# KiCad board panel-main.kicad_pcb
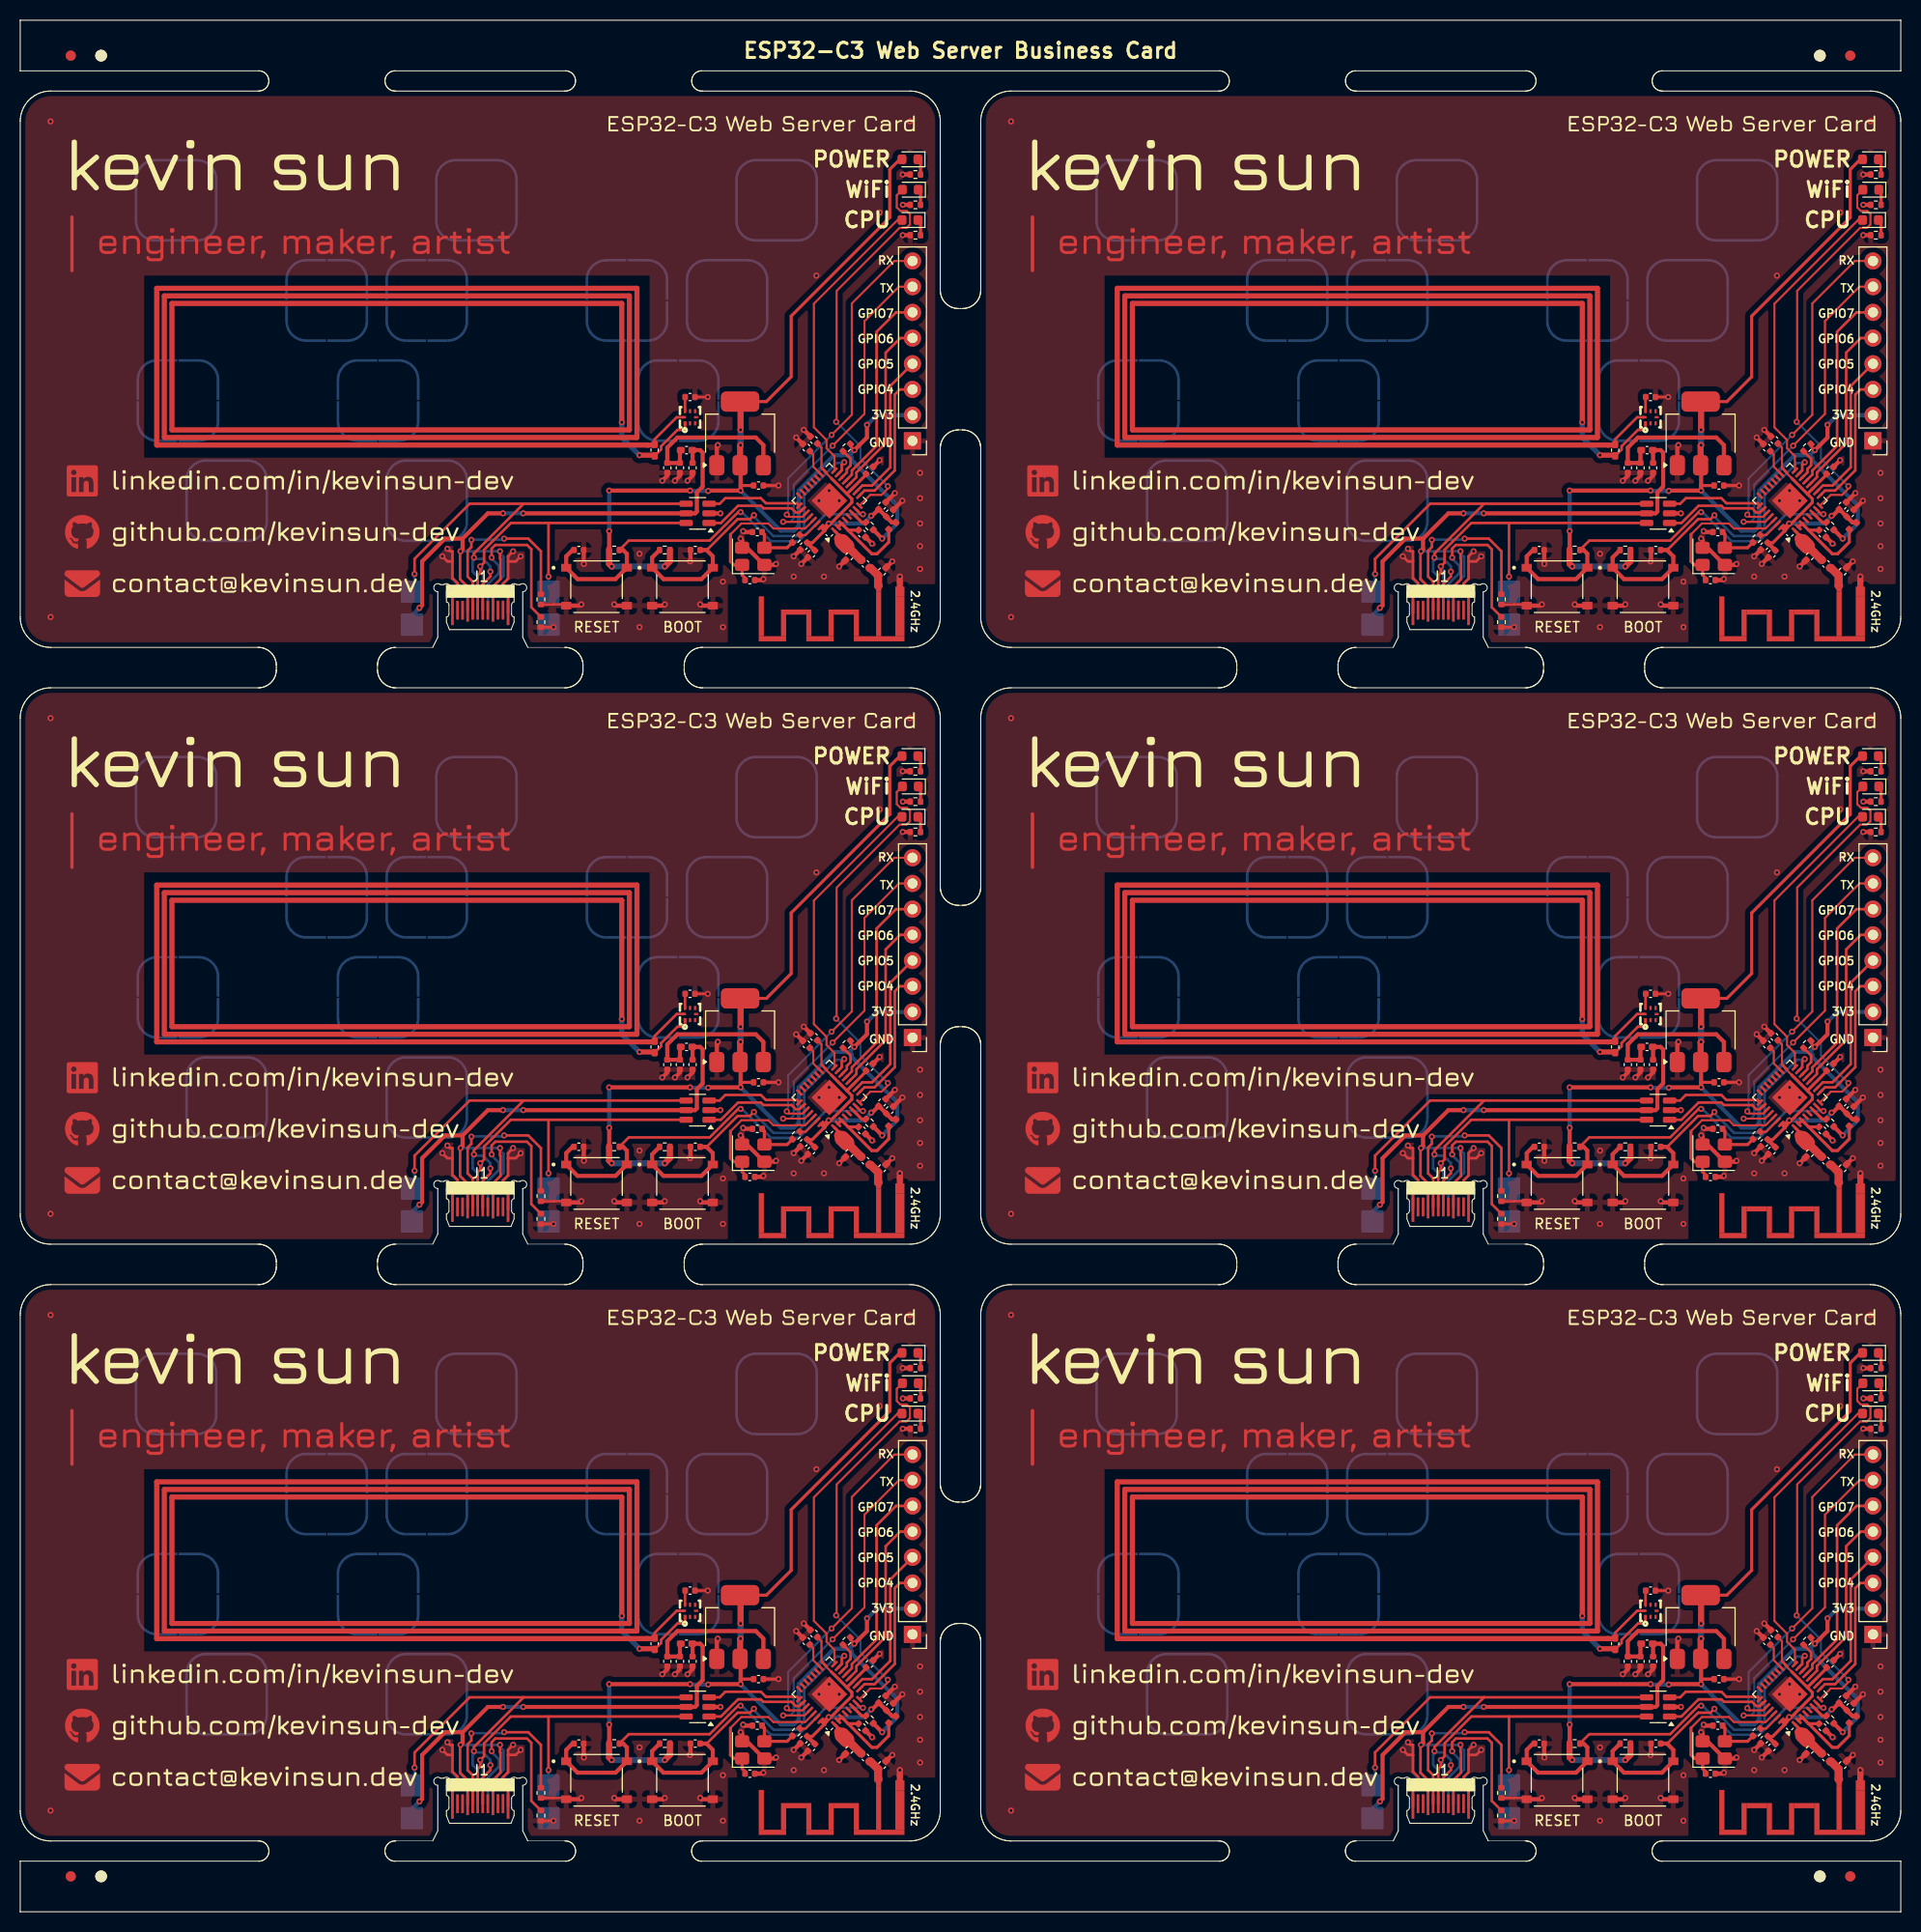
[diagram p0: board, top side]
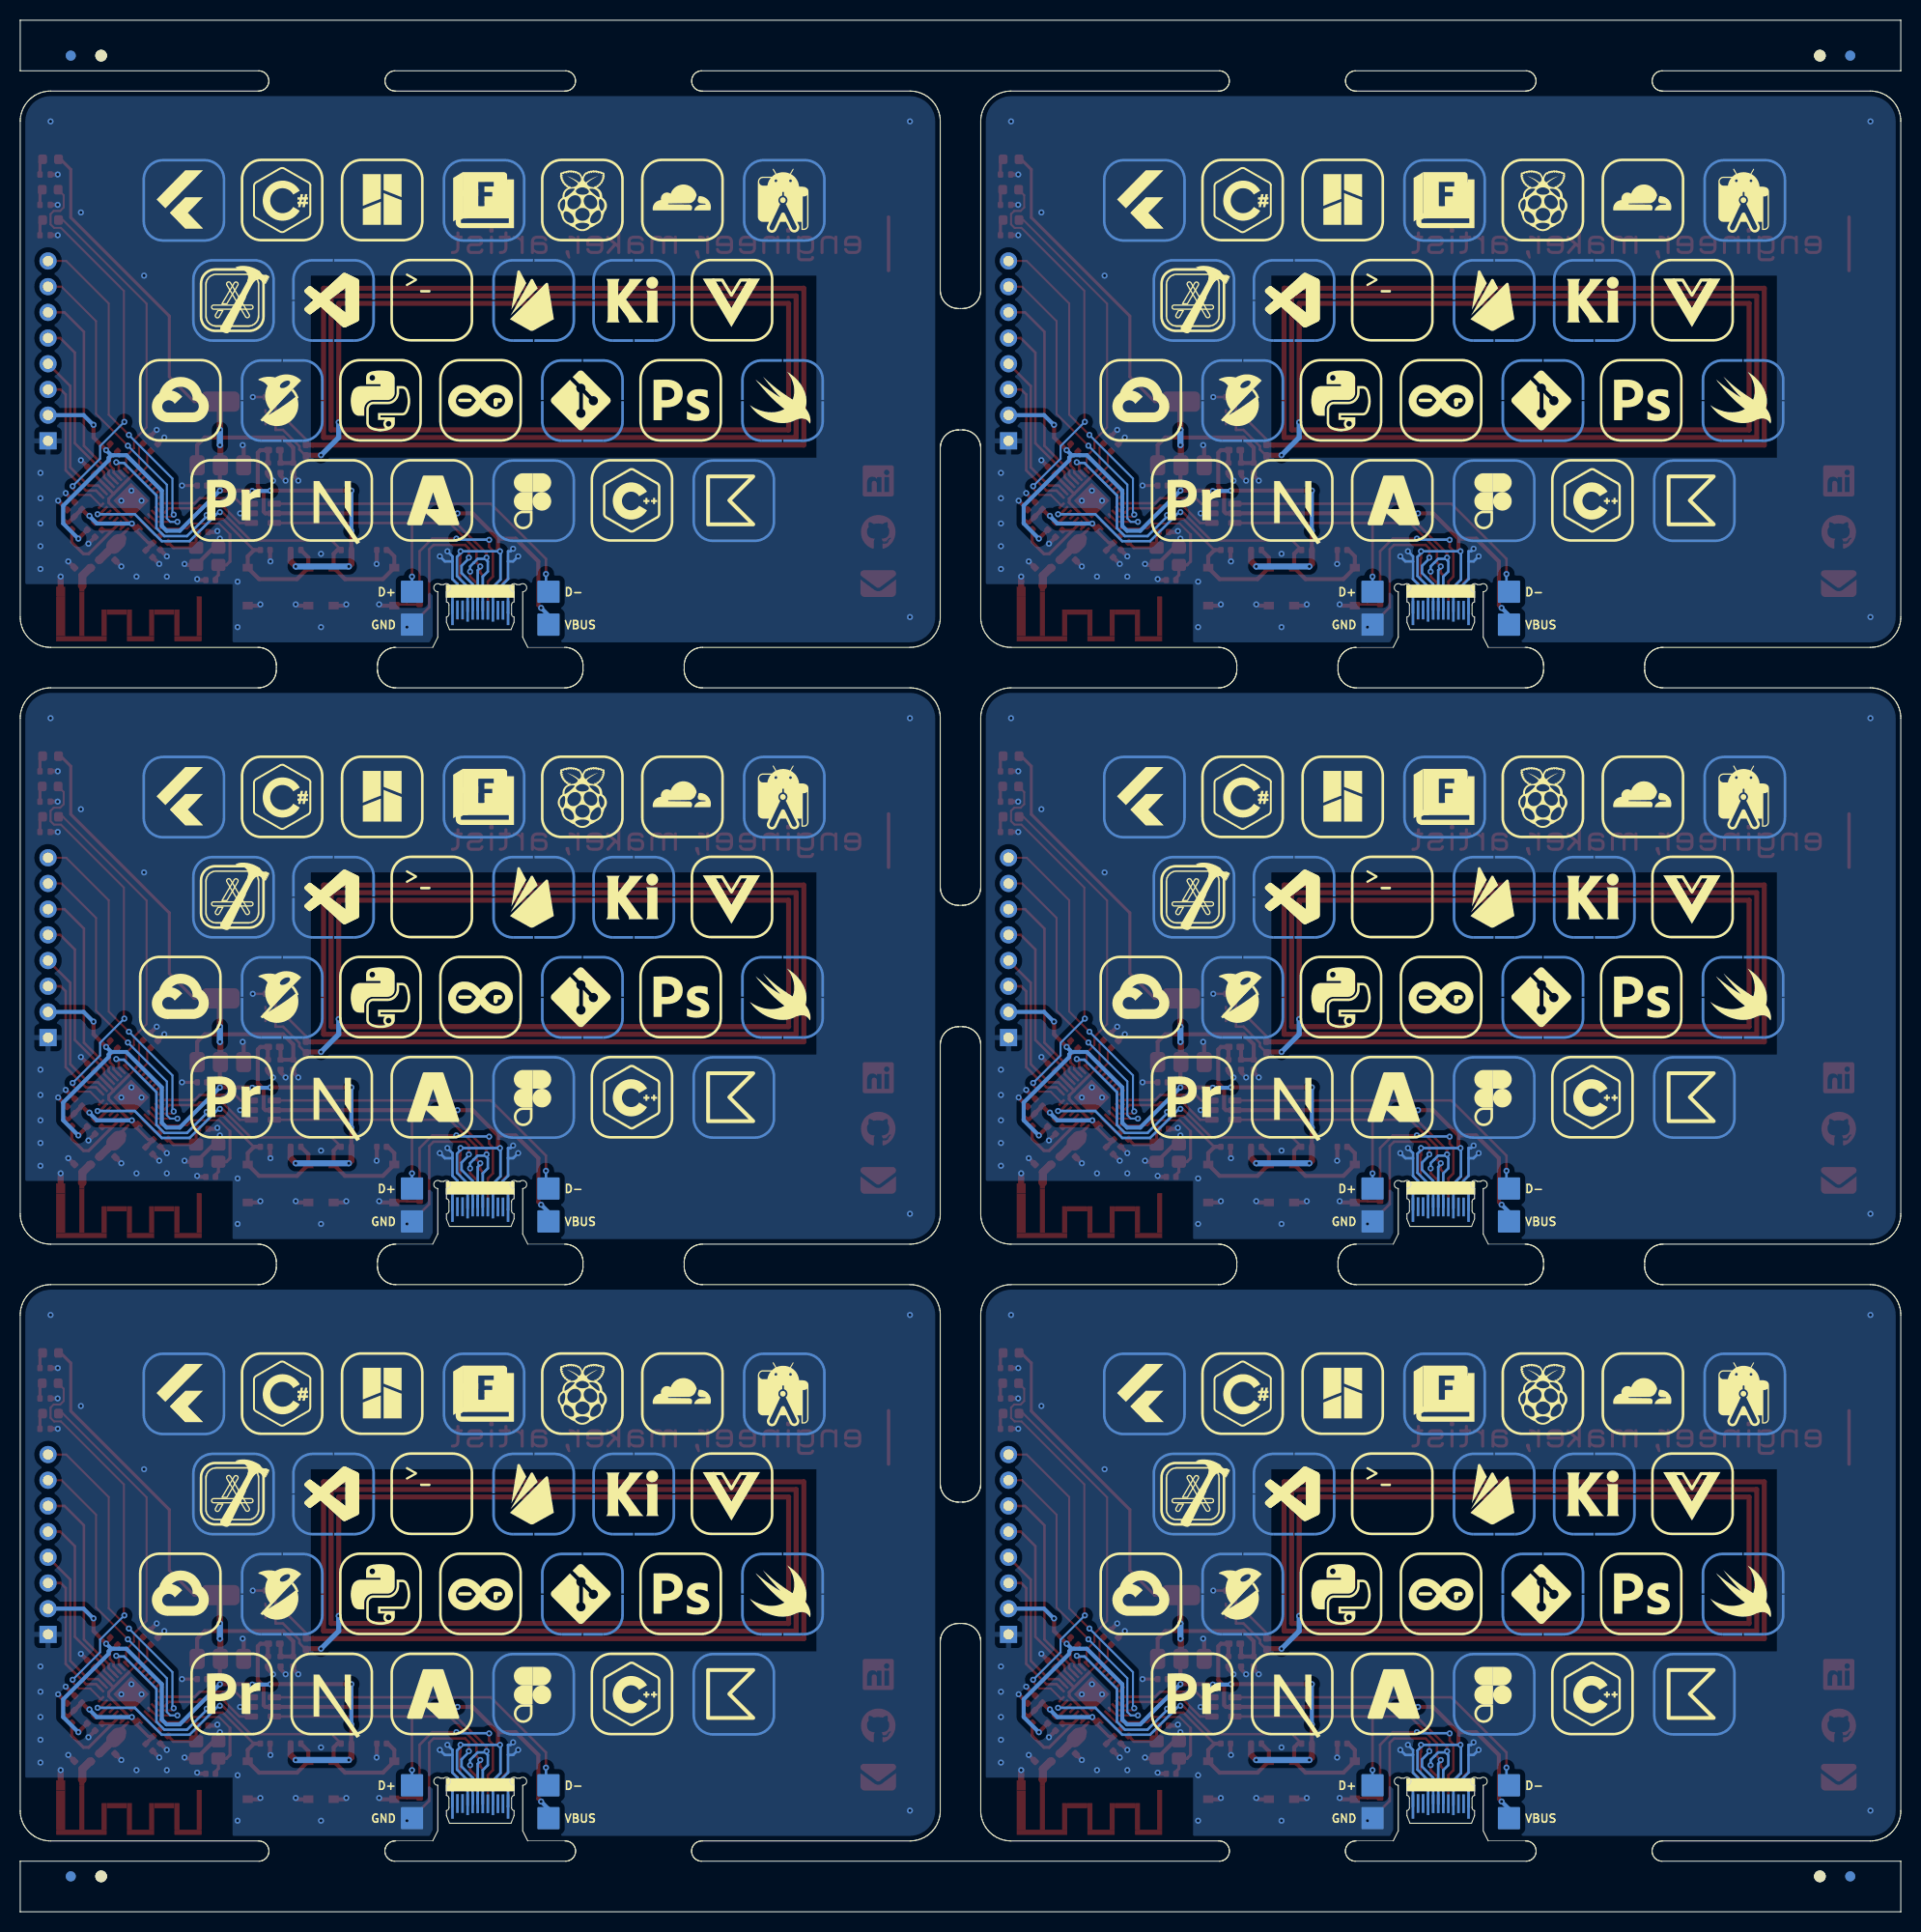
[diagram p1: board, bottom side, seen from below]

Outline 186 x 187 mm; copper layers: Top, Bottom. Coordinates in mm from the lower left corner of the outline.
Stack: Top 0.035mm / dielectric 0.8mm FR4 er 4.5 / Bottom 0.035mm

## Placement (name value [footprint] x y rotation side)
AE1  PCB Antenna  [pcb-antenna]  182 130.75 180 top
AE1#2  PCB Antenna  [pcb-antenna]  87 12.75 180 top
AE1#3  PCB Antenna  [pcb-antenna]  87 71.75 180 top
AE1#4  PCB Antenna  [pcb-antenna]  87 130.75 180 top
AE1#5  PCB Antenna  [pcb-antenna]  182 71.75 180 top
AE1#6  PCB Antenna  [pcb-antenna]  182 12.75 180 top
C1  100nF  [C_0402_1005Metric]  178.25 18.25 315 top
C1#2  100nF  [C_0402_1005Metric]  178.25 136.25 315 top
C1#3  100nF  [C_0402_1005Metric]  83.25 77.25 315 top
C1#4  100nF  [C_0402_1005Metric]  83.25 18.25 315 top
C1#5  100nF  [C_0402_1005Metric]  178.25 77.25 315 top
C1#6  100nF  [C_0402_1005Metric]  83.25 136.25 315 top
C2  100nF  [C_0402_1005Metric]  181 79.25 45 top
C2#2  100nF  [C_0402_1005Metric]  181 138.25 45 top
C2#3  100nF  [C_0402_1005Metric]  86 79.25 45 top
C2#4  100nF  [C_0402_1005Metric]  86 138.25 45 top
C2#5  100nF  [C_0402_1005Metric]  181 20.25 45 top
C2#6  100nF  [C_0402_1005Metric]  86 20.25 45 top
C3  10uF  [C_0402_1005Metric]  180.25 139 45 top
C3#2  10uF  [C_0402_1005Metric]  85.25 80 45 top
C3#3  10uF  [C_0402_1005Metric]  180.25 21 45 top
C3#4  10uF  [C_0402_1005Metric]  85.25 139 45 top
C3#5  10uF  [C_0402_1005Metric]  85.25 21 45 top
C3#6  10uF  [C_0402_1005Metric]  180.25 80 45 top
C4  1uF  [C_0402_1005Metric]  77.75 26.75 135 top
C4#2  1uF  [C_0402_1005Metric]  172.75 85.75 135 top
C4#3  1uF  [C_0402_1005Metric]  172.75 144.75 135 top
C4#4  1uF  [C_0402_1005Metric]  77.75 144.75 135 top
C4#5  1uF  [C_0402_1005Metric]  172.75 26.75 135 top
C4#6  1uF  [C_0402_1005Metric]  77.75 85.75 135 top
C5  100nF  [C_0402_1005Metric]  179 83.5 45 top
C5#2  100nF  [C_0402_1005Metric]  84 24.5 45 top
C5#3  100nF  [C_0402_1005Metric]  179 24.5 45 top
C5#4  100nF  [C_0402_1005Metric]  179 142.5 45 top
C5#5  100nF  [C_0402_1005Metric]  84 83.5 45 top
C5#6  100nF  [C_0402_1005Metric]  84 142.5 45 top
C6  100nF  [C_0402_1005Metric]  173.5 27.5 135 top
C6#2  100nF  [C_0402_1005Metric]  78.5 27.5 135 top
C6#3  100nF  [C_0402_1005Metric]  78.5 145.5 135 top
C6#4  100nF  [C_0402_1005Metric]  173.5 86.5 135 top
C6#5  100nF  [C_0402_1005Metric]  173.5 145.5 135 top
C6#6  100nF  [C_0402_1005Metric]  78.5 86.5 135 top
C7  1uF  [C_0402_1005Metric]  172.5 17 225 top
C7#2  1uF  [C_0402_1005Metric]  172.5 76 225 top
C7#3  1uF  [C_0402_1005Metric]  172.5 135 225 top
C7#4  1uF  [C_0402_1005Metric]  77.5 135 225 top
C7#5  1uF  [C_0402_1005Metric]  77.5 76 225 top
C7#6  1uF  [C_0402_1005Metric]  77.5 17 225 top
C8  10nF  [C_0402_1005Metric]  173.25 75.25 225 top
C8#2  10nF  [C_0402_1005Metric]  173.25 134.25 225 top
C8#3  10nF  [C_0402_1005Metric]  173.25 16.25 225 top
C8#4  10nF  [C_0402_1005Metric]  78.25 16.25 225 top
C8#5  10nF  [C_0402_1005Metric]  78.25 75.25 225 top
C8#6  10nF  [C_0402_1005Metric]  78.25 134.25 225 top
C9  12p  [C_0402_1005Metric]  167.17 72.65 0 top
C9#2  12p  [C_0402_1005Metric]  72.17 131.65 0 top
C9#3  12p  [C_0402_1005Metric]  167.17 13.65 0 top
C9#4  12p  [C_0402_1005Metric]  72.17 72.65 0 top
C9#5  12p  [C_0402_1005Metric]  72.17 13.65 0 top
C9#6  12p  [C_0402_1005Metric]  167.17 131.65 0 top
C10  12p  [C_0402_1005Metric]  72.9 77.4 180 top
C10#2  12p  [C_0402_1005Metric]  167.9 136.4 180 top
C10#3  12p  [C_0402_1005Metric]  72.9 136.4 180 top
C10#4  12p  [C_0402_1005Metric]  72.9 18.4 180 top
C10#5  12p  [C_0402_1005Metric]  167.9 18.4 180 top
C10#6  12p  [C_0402_1005Metric]  167.9 77.4 180 top
C11  1.5pF  [C_0402_1005Metric_Pad0.74x0.62mm_HandSolder]  180.25 132.5 45 top
C11#2  1.5pF  [C_0402_1005Metric_Pad0.74x0.62mm_HandSolder]  85.25 14.5 45 top
C11#3  1.5pF  [C_0402_1005Metric_Pad0.74x0.62mm_HandSolder]  180.25 73.5 45 top
C11#4  1.5pF  [C_0402_1005Metric_Pad0.74x0.62mm_HandSolder]  180.25 14.5 45 top
C11#5  1.5pF  [C_0402_1005Metric_Pad0.74x0.62mm_HandSolder]  85.25 73.5 45 top
C11#6  1.5pF  [C_0402_1005Metric_Pad0.74x0.62mm_HandSolder]  85.25 132.5 45 top
C12  1.5pF  [C_0402_1005Metric_Pad0.74x0.62mm_HandSolder]  177 134 225 top
C12#2  1.5pF  [C_0402_1005Metric_Pad0.74x0.62mm_HandSolder]  177 16 225 top
C12#3  1.5pF  [C_0402_1005Metric_Pad0.74x0.62mm_HandSolder]  82 134 225 top
C12#4  1.5pF  [C_0402_1005Metric_Pad0.74x0.62mm_HandSolder]  82 16 225 top
C12#5  1.5pF  [C_0402_1005Metric_Pad0.74x0.62mm_HandSolder]  177 75 225 top
C12#6  1.5pF  [C_0402_1005Metric_Pad0.74x0.62mm_HandSolder]  82 75 225 top
C13  100nF  [C_0402_1005Metric]  161.5 24.75 270 top
C13#2  100nF  [C_0402_1005Metric]  161.5 142.75 270 top
C13#3  100nF  [C_0402_1005Metric]  66.5 142.75 270 top
C13#4  100nF  [C_0402_1005Metric]  66.5 24.75 270 top
C13#5  100nF  [C_0402_1005Metric]  66.5 83.75 270 top
C13#6  100nF  [C_0402_1005Metric]  161.5 83.75 270 top
C14  100nF  [C_0402_1005Metric]  65.25 83.75 270 top
C14#2  100nF  [C_0402_1005Metric]  65.25 142.75 270 top
C14#3  100nF  [C_0402_1005Metric]  65.25 24.75 270 top
C14#4  100nF  [C_0402_1005Metric]  160.25 142.75 270 top
C14#5  100nF  [C_0402_1005Metric]  160.25 24.75 270 top
C14#6  100nF  [C_0402_1005Metric]  160.25 83.75 270 top
C15  10uF  [C_0402_1005Metric]  159 24.75 270 top
C15#2  10uF  [C_0402_1005Metric]  64 142.75 270 top
C15#3  10uF  [C_0402_1005Metric]  64 24.75 270 top
C15#4  10uF  [C_0402_1005Metric]  159 142.75 270 top
C15#5  10uF  [C_0402_1005Metric]  64 83.75 270 top
C15#6  10uF  [C_0402_1005Metric]  159 83.75 270 top
C16  10uF  [C_0402_1005Metric]  73.02 141 0 top
C16#2  10uF  [C_0402_1005Metric]  168.02 23 0 top
C16#3  10uF  [C_0402_1005Metric]  168.02 141 0 top
C16#4  10uF  [C_0402_1005Metric]  168.02 82 0 top
C16#5  10uF  [C_0402_1005Metric]  73.02 82 0 top
C16#6  10uF  [C_0402_1005Metric]  73.02 23 0 top
C17  100nF  [C_0402_1005Metric]  150.25 75.63 0 top
C17#2  100nF  [C_0402_1005Metric]  150.25 134.63 0 top
C17#3  100nF  [C_0402_1005Metric]  55.25 134.63 0 top
C17#4  100nF  [C_0402_1005Metric]  150.25 16.63 0 top
C17#5  100nF  [C_0402_1005Metric]  55.25 16.63 0 top
C17#6  100nF  [C_0402_1005Metric]  55.25 75.63 0 top
C18  100nF  [C_0402_1005Metric]  161.77 134.63 180 top
C18#2  100nF  [C_0402_1005Metric]  66.77 134.63 180 top
C18#3  100nF  [C_0402_1005Metric]  161.77 75.63 180 top
C18#4  100nF  [C_0402_1005Metric]  66.77 16.63 180 top
C18#5  100nF  [C_0402_1005Metric]  161.77 16.63 180 top
C18#6  100nF  [C_0402_1005Metric]  66.77 75.63 180 top
C19  150pF  [C_0402_1005Metric_Pad0.74x0.62mm_HandSolder]  157.75 85.5 90 top
C19#2  150pF  [C_0402_1005Metric_Pad0.74x0.62mm_HandSolder]  157.75 26.5 90 top
C19#3  150pF  [C_0402_1005Metric_Pad0.74x0.62mm_HandSolder]  62.75 85.5 90 top
C19#4  150pF  [C_0402_1005Metric_Pad0.74x0.62mm_HandSolder]  157.75 144.5 90 top
C19#5  150pF  [C_0402_1005Metric_Pad0.74x0.62mm_HandSolder]  62.75 144.5 90 top
C19#6  150pF  [C_0402_1005Metric_Pad0.74x0.62mm_HandSolder]  62.75 26.5 90 top
C20  100nF  [C_0402_1005Metric]  66.25 31.75 0 top
C20#2  100nF  [C_0402_1005Metric]  66.25 90.75 0 top
C20#3  100nF  [C_0402_1005Metric]  161.25 31.75 0 top
C20#4  100nF  [C_0402_1005Metric]  66.25 149.75 0 top
C20#5  100nF  [C_0402_1005Metric]  161.25 90.75 0 top
C20#6  100nF  [C_0402_1005Metric]  161.25 149.75 0 top
D1  PWR  [LED_0603_1608Metric]  88 114.25 180 top
D1#2  PWR  [LED_0603_1608Metric]  88 55.25 180 top
D1#3  PWR  [LED_0603_1608Metric]  88 173.25 180 top
D1#4  PWR  [LED_0603_1608Metric]  183 173.25 180 top
D1#5  PWR  [LED_0603_1608Metric]  183 114.25 180 top
D1#6  PWR  [LED_0603_1608Metric]  183 55.25 180 top
D2  WiFi  [LED_0603_1608Metric]  183.04 111.25 180 top
D2#2  WiFi  [LED_0603_1608Metric]  88.04 111.25 180 top
D2#3  WiFi  [LED_0603_1608Metric]  183.04 52.25 180 top
D2#4  WiFi  [LED_0603_1608Metric]  88.04 170.25 180 top
D2#5  WiFi  [LED_0603_1608Metric]  88.04 52.25 180 top
D2#6  WiFi  [LED_0603_1608Metric]  183.04 170.25 180 top
D3  CPU  [LED_0603_1608Metric]  88 167.25 180 top
D3#2  CPU  [LED_0603_1608Metric]  88 49.25 180 top
D3#3  CPU  [LED_0603_1608Metric]  183 108.25 180 top
D3#4  CPU  [LED_0603_1608Metric]  183 49.25 180 top
D3#5  CPU  [LED_0603_1608Metric]  183 167.25 180 top
D3#6  CPU  [LED_0603_1608Metric]  88 108.25 180 top
J1  USB C  [PCBTypeC_24P]  140.5 131.2 270 top
J1#2  USB C  [PCBTypeC_24P]  45.5 131.2 270 top
J1#3  USB C  [PCBTypeC_24P]  45.5 13.2 270 top
J1#4  USB C  [PCBTypeC_24P]  140.5 13.2 270 top
J1#5  USB C  [PCBTypeC_24P]  140.5 72.2 270 top
J1#6  USB C  [PCBTypeC_24P]  45.5 72.2 270 top
J2  GPIO Breakout  [PinHeader_1x08_P2.54mm_Vertical]  183.25 27.42 180 top
J2#2  GPIO Breakout  [PinHeader_1x08_P2.54mm_Vertical]  88.25 86.42 180 top
J2#3  GPIO Breakout  [PinHeader_1x08_P2.54mm_Vertical]  88.25 27.42 180 top
J2#4  GPIO Breakout  [PinHeader_1x08_P2.54mm_Vertical]  183.25 145.42 180 top
J2#5  GPIO Breakout  [PinHeader_1x08_P2.54mm_Vertical]  88.25 145.42 180 top
J2#6  GPIO Breakout  [PinHeader_1x08_P2.54mm_Vertical]  183.25 86.42 180 top
KiKit_FID_B_1  -  [Fiducial]  5 183.5 180 bottom
KiKit_FID_B_2  -  [Fiducial]  181 183.5 180 bottom
KiKit_FID_B_3  -  [Fiducial]  5 3.5 180 bottom
KiKit_FID_B_4  -  [Fiducial]  181 3.5 180 bottom
KiKit_FID_T_1  -  [Fiducial]  5 183.5 0 top
KiKit_FID_T_2  -  [Fiducial]  181 183.5 0 top
KiKit_FID_T_3  -  [Fiducial]  5 3.5 0 top
KiKit_FID_T_4  -  [Fiducial]  181 3.5 0 top
KiKit_TO_1  -  [NPTH]  8 183.5 0 top
KiKit_TO_2  -  [NPTH]  178 183.5 0 top
KiKit_TO_3  -  [NPTH]  8 3.5 0 top
KiKit_TO_4  -  [NPTH]  178 3.5 0 top
L1  2.4nH  [L_0402_1005Metric]  86.25 19 225 top
L1#2  2.4nH  [L_0402_1005Metric]  86.25 78 225 top
L1#3  2.4nH  [L_0402_1005Metric]  181.25 19 225 top
L1#4  2.4nH  [L_0402_1005Metric]  181.25 137 225 top
L1#5  2.4nH  [L_0402_1005Metric]  86.25 137 225 top
L1#6  2.4nH  [L_0402_1005Metric]  181.25 78 225 top
L2  2.4nH  [L_0402_1005Metric_Pad0.77x0.64mm_HandSolder]  83.6 74.25 315 top
L2#2  2.4nH  [L_0402_1005Metric_Pad0.77x0.64mm_HandSolder]  83.6 133.25 315 top
L2#3  2.4nH  [L_0402_1005Metric_Pad0.77x0.64mm_HandSolder]  178.6 15.25 315 top
L2#4  2.4nH  [L_0402_1005Metric_Pad0.77x0.64mm_HandSolder]  83.6 15.25 315 top
L2#5  2.4nH  [L_0402_1005Metric_Pad0.77x0.64mm_HandSolder]  178.6 133.25 315 top
L2#6  2.4nH  [L_0402_1005Metric_Pad0.77x0.64mm_HandSolder]  178.6 74.25 315 top
L3  2.4nH  [L_0402_1005Metric_Pad0.77x0.64mm_HandSolder]  65.9 144.5 180 top
L3#2  2.4nH  [L_0402_1005Metric_Pad0.77x0.64mm_HandSolder]  160.9 144.5 180 top
L3#3  2.4nH  [L_0402_1005Metric_Pad0.77x0.64mm_HandSolder]  65.9 26.5 180 top
L3#4  2.4nH  [L_0402_1005Metric_Pad0.77x0.64mm_HandSolder]  160.9 26.5 180 top
L3#5  2.4nH  [L_0402_1005Metric_Pad0.77x0.64mm_HandSolder]  65.9 85.5 180 top
L3#6  2.4nH  [L_0402_1005Metric_Pad0.77x0.64mm_HandSolder]  160.9 85.5 180 top
R1  5k1  [R_0402_1005Metric]  51.5 70.75 90 top
R1#2  5k1  [R_0402_1005Metric]  146.5 11.75 90 top
R1#3  5k1  [R_0402_1005Metric]  146.5 129.75 90 top
R1#4  5k1  [R_0402_1005Metric]  146.5 70.75 90 top
R1#5  5k1  [R_0402_1005Metric]  51.5 129.75 90 top
R1#6  5k1  [R_0402_1005Metric]  51.5 11.75 90 top
R2  5k1  [R_0402_1005Metric]  51.5 127.5 270 top
R2#2  5k1  [R_0402_1005Metric]  51.5 9.5 270 top
R2#3  5k1  [R_0402_1005Metric]  146.5 68.5 270 top
R2#4  5k1  [R_0402_1005Metric]  146.5 9.5 270 top
R2#5  5k1  [R_0402_1005Metric]  51.5 68.5 270 top
R2#6  5k1  [R_0402_1005Metric]  146.5 127.5 270 top
R3  5k1  [R_0402_1005Metric]  153.75 75.63 0 top
R3#2  5k1  [R_0402_1005Metric]  58.75 75.63 0 top
R3#3  5k1  [R_0402_1005Metric]  58.75 134.63 0 top
R3#4  5k1  [R_0402_1005Metric]  153.75 16.63 0 top
R3#5  5k1  [R_0402_1005Metric]  58.75 16.63 0 top
R3#6  5k1  [R_0402_1005Metric]  153.75 134.63 0 top
R4  5k1  [R_0402_1005Metric]  158.75 134.63 180 top
R4#2  5k1  [R_0402_1005Metric]  63.75 134.63 180 top
R4#3  5k1  [R_0402_1005Metric]  158.75 16.63 180 top
R4#4  5k1  [R_0402_1005Metric]  63.75 16.63 180 top
R4#5  5k1  [R_0402_1005Metric]  63.75 75.63 180 top
R4#6  5k1  [R_0402_1005Metric]  158.75 75.63 180 top
R5  1k  [R_0402_1005Metric]  171.75 135.75 225 top
R5#2  1k  [R_0402_1005Metric]  76.75 135.75 225 top
R5#3  1k  [R_0402_1005Metric]  76.75 76.75 225 top
R5#4  1k  [R_0402_1005Metric]  171.75 76.75 225 top
R5#5  1k  [R_0402_1005Metric]  171.75 17.75 225 top
R5#6  1k  [R_0402_1005Metric]  76.75 17.75 225 top
R6  5k1  [R_0402_1005Metric]  81.75 26.75 45 top
R6#2  5k1  [R_0402_1005Metric]  176.75 26.75 45 top
R6#3  5k1  [R_0402_1005Metric]  176.75 85.75 45 top
R6#4  5k1  [R_0402_1005Metric]  81.75 144.75 45 top
R6#5  5k1  [R_0402_1005Metric]  176.75 144.75 45 top
R6#6  5k1  [R_0402_1005Metric]  81.75 85.75 45 top
R7  5k1  [R_0402_1005Metric]  179 78 315 top
R7#2  5k1  [R_0402_1005Metric]  84 19 315 top
R7#3  5k1  [R_0402_1005Metric]  179 137 315 top
R7#4  5k1  [R_0402_1005Metric]  84 137 315 top
R7#5  5k1  [R_0402_1005Metric]  84 78 315 top
R7#6  5k1  [R_0402_1005Metric]  179 19 315 top
R8  1k  [R_0402_1005Metric]  183.54 53.75 180 top
R8#2  1k  [R_0402_1005Metric]  183.54 112.75 180 top
R8#3  1k  [R_0402_1005Metric]  183.54 171.75 180 top
R8#4  1k  [R_0402_1005Metric]  88.54 171.75 180 top
R8#5  1k  [R_0402_1005Metric]  88.54 112.75 180 top
R8#6  1k  [R_0402_1005Metric]  88.54 53.75 180 top
R9  1k  [R_0402_1005Metric]  88.54 168.75 180 top
R9#2  1k  [R_0402_1005Metric]  183.54 168.75 180 top
R9#3  1k  [R_0402_1005Metric]  183.54 50.75 180 top
R9#4  1k  [R_0402_1005Metric]  88.54 109.75 180 top
R9#5  1k  [R_0402_1005Metric]  88.54 50.75 180 top
R9#6  1k  [R_0402_1005Metric]  183.54 109.75 180 top
R10  1k  [R_0402_1005Metric]  88.54 47.75 180 top
R10#2  1k  [R_0402_1005Metric]  88.54 165.75 180 top
R10#3  1k  [R_0402_1005Metric]  183.54 106.75 180 top
R10#4  1k  [R_0402_1005Metric]  183.54 165.75 180 top
R10#5  1k  [R_0402_1005Metric]  88.54 106.75 180 top
R10#6  1k  [R_0402_1005Metric]  183.54 47.75 180 top
SW1  RESET  [SW_TS-1187A-B-A-B]  152 131 0 top
SW1#2  RESET  [SW_TS-1187A-B-A-B]  152 72 0 top
SW1#3  RESET  [SW_TS-1187A-B-A-B]  57 72 0 top
SW1#4  RESET  [SW_TS-1187A-B-A-B]  57 13 0 top
SW1#5  RESET  [SW_TS-1187A-B-A-B]  152 13 0 top
SW1#6  RESET  [SW_TS-1187A-B-A-B]  57 131 0 top
SW2  BOOT  [SW_TS-1187A-B-A-B]  160.5 13 0 top
SW2#2  BOOT  [SW_TS-1187A-B-A-B]  65.5 131 0 top
SW2#3  BOOT  [SW_TS-1187A-B-A-B]  65.5 13 0 top
SW2#4  BOOT  [SW_TS-1187A-B-A-B]  160.5 131 0 top
SW2#5  BOOT  [SW_TS-1187A-B-A-B]  160.5 72 0 top
SW2#6  BOOT  [SW_TS-1187A-B-A-B]  65.5 72 0 top
U1  ESP32-C3FH4  [QFN-32-1EP_5x5mm_P0.5mm_EP3.7x3.7mm]  80.03 139.51 135 top
U1#2  ESP32-C3FH4  [QFN-32-1EP_5x5mm_P0.5mm_EP3.7x3.7mm]  175.03 139.51 135 top
U1#3  ESP32-C3FH4  [QFN-32-1EP_5x5mm_P0.5mm_EP3.7x3.7mm]  80.03 80.51 135 top
U1#4  ESP32-C3FH4  [QFN-32-1EP_5x5mm_P0.5mm_EP3.7x3.7mm]  175.03 21.51 135 top
U1#5  ESP32-C3FH4  [QFN-32-1EP_5x5mm_P0.5mm_EP3.7x3.7mm]  175.03 80.51 135 top
U1#6  ESP32-C3FH4  [QFN-32-1EP_5x5mm_P0.5mm_EP3.7x3.7mm]  80.03 21.51 135 top
U2  NT3H2111W0FHKH  [C710403]  66.25 147.75 90 top
U2#2  NT3H2111W0FHKH  [C710403]  161.25 88.75 90 top
U2#3  NT3H2111W0FHKH  [C710403]  161.25 29.75 90 top
U2#4  NT3H2111W0FHKH  [C710403]  161.25 147.75 90 top
U2#5  NT3H2111W0FHKH  [C710403]  66.25 88.75 90 top
U2#6  NT3H2111W0FHKH  [C710403]  66.25 29.75 90 top
U3  USBLC6-2SC6  [SOT-23-6]  67 138.25 180 top
U3#2  USBLC6-2SC6  [SOT-23-6]  162 20.25 180 top
U3#3  USBLC6-2SC6  [SOT-23-6]  67 79.25 180 top
U3#4  USBLC6-2SC6  [SOT-23-6]  162 138.25 180 top
U3#5  USBLC6-2SC6  [SOT-23-6]  162 79.25 180 top
U3#6  USBLC6-2SC6  [SOT-23-6]  67 20.25 180 top
U4  AMS1117-3.3  [SOT-223-3_TabPin2]  71.2 146.15 90 top
U4#2  AMS1117-3.3  [SOT-223-3_TabPin2]  166.2 87.15 90 top
U4#3  AMS1117-3.3  [SOT-223-3_TabPin2]  166.2 146.15 90 top
U4#4  AMS1117-3.3  [SOT-223-3_TabPin2]  166.2 28.15 90 top
U4#5  AMS1117-3.3  [SOT-223-3_TabPin2]  71.2 28.15 90 top
U4#6  AMS1117-3.3  [SOT-223-3_TabPin2]  71.2 87.15 90 top
Y1  L327S400H11L  [Crystal_SMD_3225-4Pin_3.2x2.5mm]  167.5 16 0 top
Y1#2  L327S400H11L  [Crystal_SMD_3225-4Pin_3.2x2.5mm]  167.5 75 0 top
Y1#3  L327S400H11L  [Crystal_SMD_3225-4Pin_3.2x2.5mm]  72.5 134 0 top
Y1#4  L327S400H11L  [Crystal_SMD_3225-4Pin_3.2x2.5mm]  167.5 134 0 top
Y1#5  L327S400H11L  [Crystal_SMD_3225-4Pin_3.2x2.5mm]  72.5 16 0 top
Y1#6  L327S400H11L  [Crystal_SMD_3225-4Pin_3.2x2.5mm]  72.5 75 0 top
